# KiCad board FetsAndCrosses.kicad_pcb (continued)
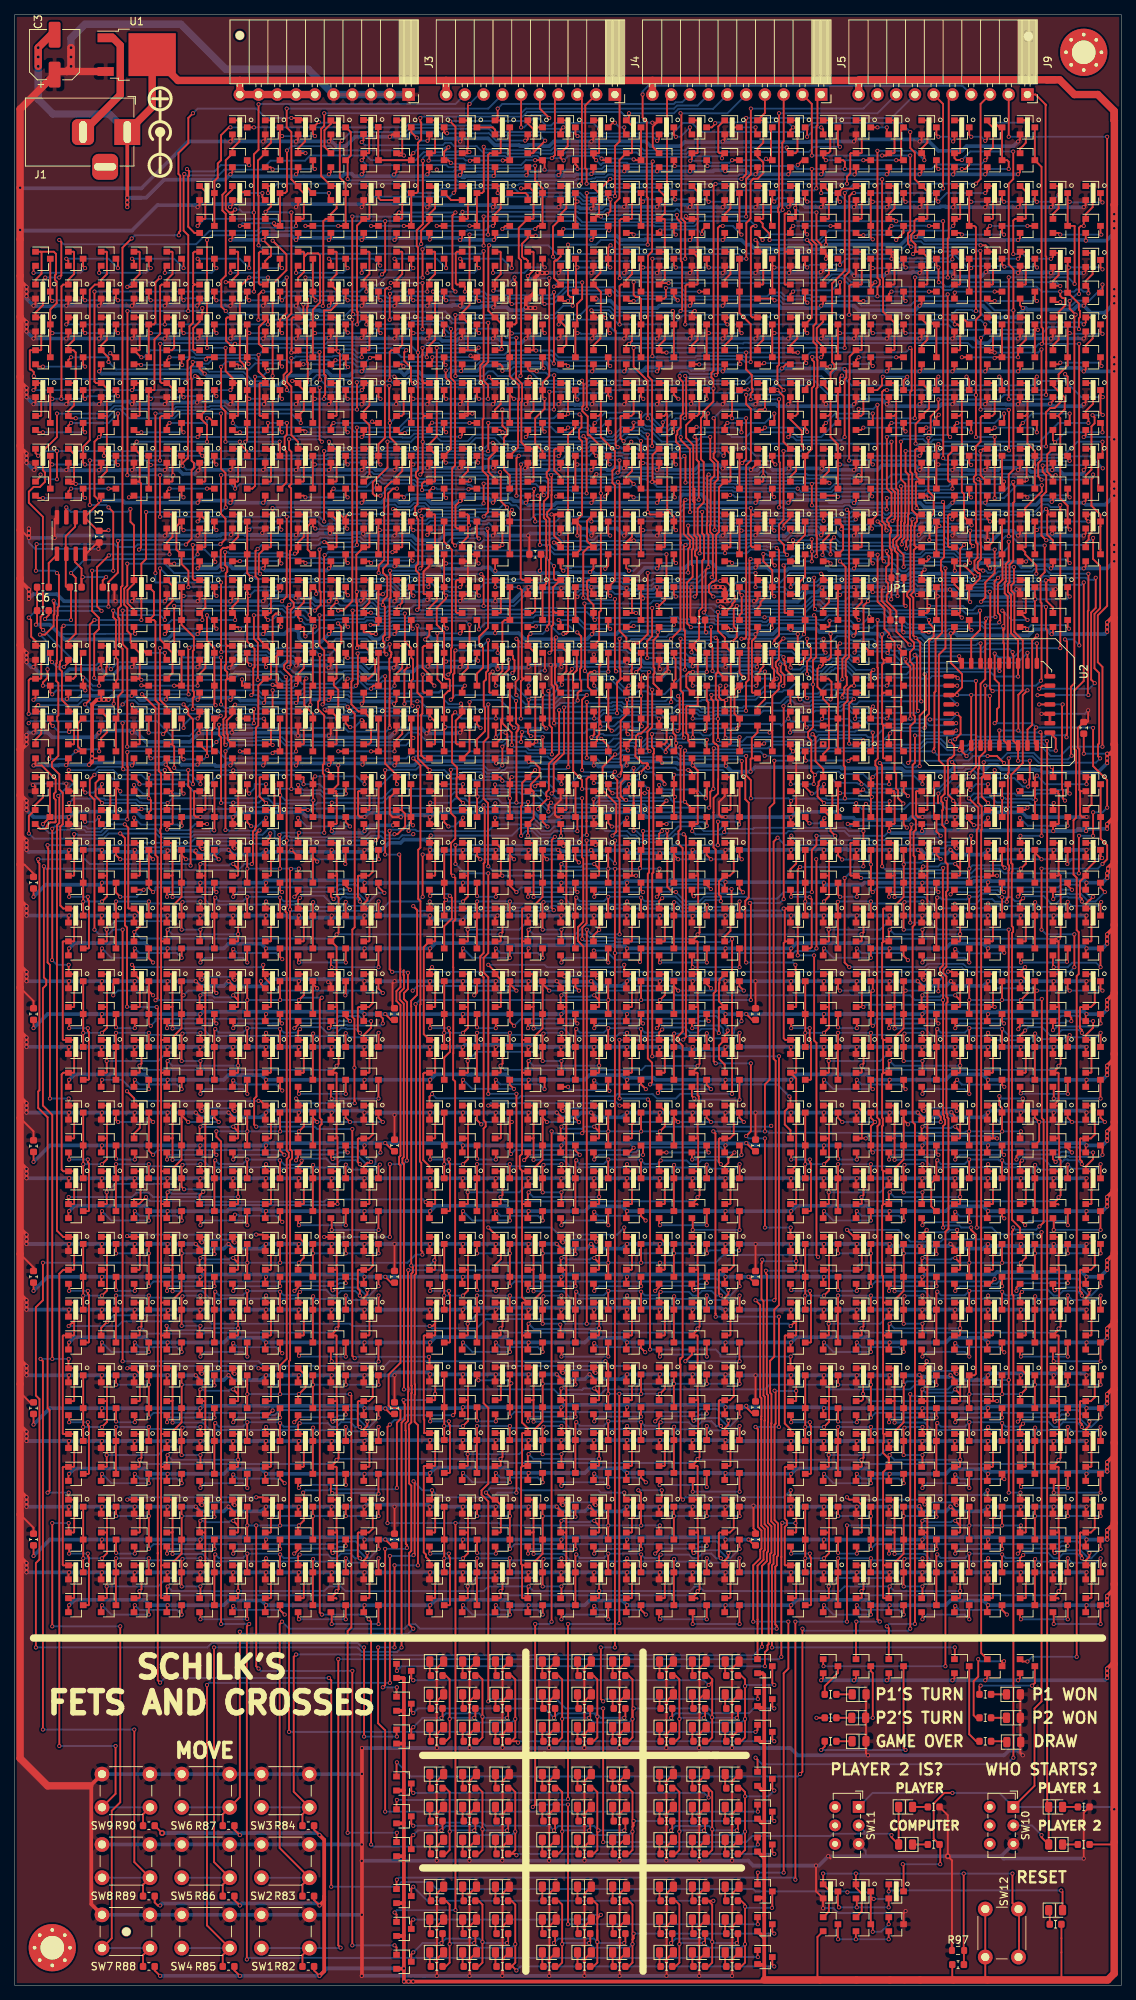
[diagram p0: board, top side]
## Routing (per net, layer and track width the routed paths; a pad name or vN(x,y) marks a point on that pad's centre or on a via; arc(x,y) is an arc through that point) (continued)
  Bottom w0.25: v1(130.81,181.61) 130.42,181.61 130.2,181.38 123.03,181.38 122.68,181.73 121.79,181.73 121.02,182.5 118.49,182.5 v1(118.43,182.56) ; v1(120.35,159.94) 120.07,159.65 115.52,159.65 v1(115.28,159.89) ; v1(77.45,243.84) 78.1,243.84 78.37,244.11 78.75,244.11 78.9,244.26 79.85,244.26 80.3,243.8 v1(94.91,243.8) 94.95,243.84 v1(112.71,243.84) ; v1(116.86,193.62) 111.43,193.62 110.78,194.28 110.53,194.28 110.14,194.66 107.46,194.66 107.3,194.49 104.64,194.49 104.08,193.93 102.91,193.93 102.85,193.99 102.23,193.99 101.99,194.23 101.73,194.23 101.66,194.31 99.65,194.31 99.16,193.82 v1(96.2,193.82) 92.77,193.82 v1(92.74,193.8) ; v1(51.75,40.32) v1(49.85,40.32) ; v1(53.31,96.78) 64.77,96.78 65.79,97.79 v1(80.39,97.79) v1(84.84,97.79) v1(87.38,97.79) 94.93,97.79 96,98.86 108.52,98.86 v1(108.8,98.58) ; v1(50.17,59.05) 52.96,59.05 v1(53.11,59.2) ; v1(106.36,151.35) 114.84,151.35 v1(114.94,151.45) ; v1(114.94,156.21) 112.99,156.21 112.54,156.66 100.14,156.66 100,156.51 96.49,156.51 96.16,156.84 95.89,156.84 95.25,156.21 93.34,156.21 92.71,156.84 89.86,156.84 88.18,155.16 84.62,155.16 84.12,155.66 83.49,155.66 82.93,156.21 80.01,156.21 79.38,156.84 73.07,156.84 72.44,156.21 71.39,156.21 70.5,157.11 65.04,157.11 64.14,156.21 54.45,156.21 54.26,156.4 53.49,156.4 v1(53.34,156.25) ; v1(53.02,221.3) 52.75,221.57 47.99,221.57 47.62,221.93 42.86,221.93 42.56,221.63 33.98,221.63 v1(33.02,220.66) 24.6,220.66 23.96,221.3 18.42,221.3 17.46,220.34 v1(17.14,220.34) ; v1(94.64,216.12) 94.25,216.12 93.79,216.58 77.76,216.58 77.31,216.12 76.36,216.12 76.21,216.27 54.48,216.27 v1(53.98,216.78) ; v1(106.05,139.38) v1(108.27,139.38)
/PlayerMem_1/3: length 559.3
  Top w0.25: Q779.1 83.52,190.18 83.6,190.1 83.6,186.28 ; Q137.3 31.48,81.3 ; 31.48,81.3 31.5,81.28 ; 31.48,81.3 Q138.3 ; v1(35.94,80.01) 35.92,80.03 Q140.3 35.92,83.87 36.83,84.77 36.83,111.82 37.11,112.11 37.11,112.68 36.83,112.97 36.83,145.16 36.68,145.31 36.68,145.89 36.82,146.03 36.82,176.96 v1(36.71,177.08) ; Q155.1 38.37,79.9 v1(38.48,80.01) 39.37,80.9 39.37,82.55 38.42,83.5 Q153.1 ; 38.48,83.61 Q153.1 ; Q153.1 38.42,83.55 ; v1(72.74,247.3) 73.15,247.71 73.15,255.4 73.66,255.9 ; Q1327.1 51.7,20.59 v1(51.75,20.64) ; Q520.1 96.11,252.41 95.28,251.59 95.28,248.14 95.45,247.96 Q519.1 95.79,247.6 v1(95.79,247.28) ; v1(133.37,177.88) 133.35,177.9 U2.9 ; v1(84.14,185.74) 84.14,185.73 Q780.1 83.52,185.73 83.6,185.81 83.6,186.28 ; 83.6,186.28 83.6,186.33 ; v1(13.34,191.45) 13.34,199.39 v1(12.7,200.02) ; v1(10.48,191.45) 10.48,185.99 11.4,185.07 11.4,183.55 10.76,182.92 v1(10.76,176.95) ; v1(86.33,186.41) 86.33,182.59 85.66,181.93 v1(85.66,179.65) ; v1(45.08,20.64) 45.08,47.94 45.59,48.45 45.59,79.82 v1(45.4,80.01) ; v1(55.27,246.94) 55.27,238.36 54.44,237.54 54.44,235.39 54.61,235.22 v1(54.61,220.98) 54.61,205.04 54.33,204.76 54.33,204.18 54.56,203.95 54.56,200.43 54.23,200.1 54.23,199.03 54.48,198.78 54.48,198.55 54.64,198.39 54.64,192.37 54.33,192.06 54.33,191.48 54.78,191.03 54.78,186.45 v1(54.5,186.17) ; Q435.1 28.78,225.74 28.61,225.57 28.61,222.6 29.48,221.73 Q437.1 29.48,221.94 29.69,222.16 v1(29.84,222.16) ; v1(19.66,206.38) 19.66,212.18 19.89,212.4 Q462.1 21.29,212.4 21.37,212.48 21.37,216.12 20.64,216.85 Q460.1 19.89,216.85 19.7,217.04 v1(19.7,222.16) ; v1(10.16,206.38) v1(10.16,200.34)
  Bottom w0.25: v1(31.5,80.01) v1(35.94,80.01) v1(38.48,80.01) v1(45.4,80.01) ; v1(133.37,177.88) 133.04,178.22 121.56,178.22 120.78,177.43 113.88,177.43 112.61,178.7 110.94,178.7 110.66,178.42 110.48,178.42 109.4,177.35 109.11,177.35 ; v1(54.5,186.17) 54.89,186.17 54.97,186.09 63.79,186.09 63.87,186.17 69.43,186.17 69.67,186.41 82.83,186.41 ; 109.11,177.35 108.34,177.35 107.6,178.08 107.03,178.08 106.29,177.35 103.57,177.35 101.75,179.17 91.55,179.17 91.36,179.37 90.55,179.37 90.27,179.65 v1(85.66,179.65) ; 109.11,177.35 109.09,177.38 ; v1(19.66,206.38) v1(10.16,206.38) ; v1(36.83,154.94) 47.62,154.94 48.26,155.57 49.53,155.57 49.91,155.2 52.02,155.2 52.47,155.65 53.83,155.65 v1(53.98,155.8) ; v1(55.27,246.94) 55.27,247.33 55.59,247.65 58.48,247.65 58.55,247.71 60.96,247.71 61.13,247.54 61.93,247.54 61.97,247.58 66.38,247.58 66.5,247.47 70.05,247.47 70.2,247.62 70.77,247.62 71.09,247.3 v1(72.74,247.3) 73.77,247.3 74.54,248.07 84.24,248.07 84.86,247.44 91.16,247.44 91.27,247.55 95.52,247.55 v1(95.79,247.28) ; v1(84.14,185.74) 83.47,186.41 82.83,186.41 ; 82.83,186.41 v1(86.33,186.41) ; v1(12.7,200.02) 12.38,200.34 v1(10.16,200.34) ; v1(10.76,176.95) 11.04,176.68 16.25,176.68 16.86,177.28 29.33,177.28 29.85,177.8 35.98,177.8 v1(36.71,177.08) ; v1(51.75,20.64) v1(45.08,20.64) ; v1(54.61,220.98) 53.43,222.16 48.03,222.16 47.81,222.38 42.36,222.38 42.14,222.16 v1(29.84,222.16) 29.45,222.16 29.33,222.28 20.21,222.28 20.09,222.16 v1(19.7,222.16) ; v1(13.34,191.45) v1(10.48,191.45)
/PlayerMem_1/4: length 655.6
  Top w0.25: Q784.1 82.82,195.27 ; 82.82,195.27 83.6,196.05 83.6,198.99 83.52,199.07 Q783.1 ; 82.82,195.27 83.09,195.55 v1(83.83,195.55) ; 80.38,81.42 Q179.3 80.38,84.09 v1(80.01,84.45) ; 80.38,81.42 80.39,81.4 ; 80.38,81.42 Q180.3 ; 87.38,83.74 87.27,83.62 87.97,83.62 88.04,83.55 88.04,80.71 v1(87.38,80.04) 87.27,79.93 Q197.1 ; v1(74.93,48.89) v1(74.93,25.2) ; v1(59.64,194.86) 59.24,195.26 59.24,205.3 59.63,205.69 59.63,216.97 59.07,217.54 v1(59.07,224.19) ; v1(46.36,224.79) 46.43,224.87 46.43,226.45 46.36,226.53 46.36,238.17 Q523.1 47.96,239.07 48.04,239.15 48.04,243.44 47.96,243.52 Q524.1 ; v1(17.78,199.39) 17.78,193.04 17.14,192.4 v1(17.14,184.78) ; v1(27.94,212.72) 27.94,205.27 28.54,204.67 28.54,200.06 v1(28.57,200.02) ; v1(72.39,252.73) 71.12,254 71.12,255.9 ; v1(34.29,224.79) 34.29,225.38 Q436.1 33.92,225.28 33.05,224.41 33.05,222.17 Q438.1 ; v1(59.46,242.6) 59.69,242.84 59.69,251.54 v1(58.92,252.31) ; v1(51.75,25.08) 51.7,25.03 Q1329.1 ; v1(24.13,162.56) 24.13,171.35 23.5,171.98 23.5,172.72 v1(22.86,173.35) ; v1(9.53,173.35) 10.16,173.99 10.16,184.15 v1(10.8,184.78) ; 134.62,178.92 134.62,179.65 134.48,179.79 134.48,187.98 134.07,188.4 134.07,189.86 134.23,190.01 134.23,192.37 134.62,192.77 v1(134.62,195.37) ; v1(14.61,84.45) v1(14.61,142.88) ; 7.96,216.85 8.25,217.15 8.25,220.99 7.96,221.29 Q468.1 7.25,221.94 8.03,222.72 8.03,225.66 7.96,225.74 Q466.1 7.25,225.06 v1(6.98,224.79) ; 7.96,216.85 8.03,216.77 8.03,213.83 7.25,213.05 Q474.1 7.57,212.09 v1(8.25,212.09) ; 7.96,216.85 Q472.1 ; v1(84.84,80.04) 84.82,80.06 Q182.3 ; v1(81.88,49) v1(81.88,80.04) ; Q444.1 21.29,221.29 21.59,221.59 21.59,225.44 21.29,225.74 Q442.1 20.32,225.47 v1(20.32,224.79) ; v1(10.79,163.83) 10.16,163.2 10.16,161.09 10.8,160.46 v1(10.8,142.88)
  Bottom w0.25: v1(22.86,173.35) 16.76,173.35 16.2,173.92 15.17,173.92 v1(14.61,173.35) 13.97,172.72 10.16,172.72 v1(9.53,173.35) ; v1(8.25,212.09) 12.45,212.09 13.68,213.33 14.26,213.33 15.49,212.09 21.59,212.09 22.22,212.72 v1(27.94,212.72) ; v1(28.57,200.02) 27.94,199.39 v1(17.78,199.39) ; v1(24.13,162.56) 23.5,163.19 17.78,163.19 17.14,163.83 13.97,163.83 13.34,164.46 11.43,164.46 v1(10.79,163.83) ; v1(59.46,242.6) 58.93,242.08 48.32,242.08 v1(48.05,242.36) ; v1(81.88,49) 81.7,49 81.6,48.89 v1(74.93,48.89) ; v1(14.61,142.88) 13.34,142.88 12.7,142.24 11.43,142.24 v1(10.8,142.88) ; v1(6.98,224.79) v1(20.32,224.79) v1(34.29,224.79) 38.11,224.79 38.71,224.19 39.34,224.19 39.94,224.79 v1(46.36,224.79) 46.96,225.39 47.91,225.39 48.51,224.79 53.34,224.79 53.79,225.24 58.02,225.24 v1(59.07,224.19) ; 84.36,195.49 78.9,195.49 78.58,195.16 77.63,195.16 77.31,195.49 74,195.49 73.63,195.86 72.74,195.86 72.45,195.58 63.53,195.58 63.1,195.16 62.35,195.16 62.1,195.4 60.19,195.4 v1(59.64,194.86) ; 84.36,195.49 84.31,195.55 v1(83.83,195.55) ; 84.36,195.49 84.45,195.58 99.01,195.58 99.09,195.66 102.22,195.66 102.29,195.58 104.53,195.58 105.13,196.18 107.35,196.18 107.48,196.31 108.3,196.31 108.95,195.66 110.41,195.66 110.9,195.18 111.15,195.18 111.53,194.79 118.61,194.79 119.99,193.41 120.37,193.41 120.52,193.26 122.78,193.26 123.38,193.86 125.54,193.86 125.62,193.78 127.21,193.78 127.77,193.22 133.15,193.22 134.62,194.69 v1(134.62,195.37) ; v1(74.93,25.2) 74.81,25.08 v1(51.75,25.08) ; v1(10.8,184.78) v1(17.14,184.78) ; v1(87.38,80.04) v1(84.84,80.04) v1(80.39,80.04) ; v1(80.01,84.45) 50.76,84.45 50.13,83.82 33.66,83.82 33.02,84.45 v1(14.61,84.45) ; v1(72.39,252.73) 72.03,253.09 71.48,253.09 71.46,253.1 69.97,253.1 69.18,252.31 v1(58.92,252.31)
/PlayerMem_1/5: length 607.3
  Top w0.25: Q787.1 83.52,207.96 83.6,207.88 83.6,204.94 82.82,204.16 Q788.1 ; Q787.1 82.82,208.23 v1(83.5,208.91) ; Q787.1 83.14,208.28 83.14,208.3 ; 129.27,81.3 Q221.3 129.97,82.55 130.17,82.75 130.17,101.6 129.54,102.23 v1(129.54,102.55) ; 129.27,81.3 129.29,81.28 ; 129.27,81.3 Q222.3 ; Q224.3 133.72,80.03 v1(133.73,80.01) ; Q239.1 136.16,79.9 v1(136.27,80.01) 136.94,80.67 136.94,82.77 136.21,83.5 Q237.1 136.27,83.61 ; 68.58,255.9 v1(68.58,251.46) ; v1(125.75,151.23) 125.75,150.84 125.7,150.78 125.7,147.1 125.73,147.07 125.73,138.05 125.31,137.63 125.31,136.77 125.73,136.36 125.73,117.84 125.86,117.71 125.86,117.28 126.01,117.13 126.01,116.55 125.73,116.27 v1(125.73,102.55) ; v1(106.36,28.57) 106.68,28.89 v1(106.68,48.26) ; v1(86.41,246.84) 86.33,246.76 86.33,234.66 85.76,234.1 85.76,217.77 86.33,217.21 v1(86.33,208.32) ; v1(123.24,177.44) 123.39,177.29 123.39,172.65 122.55,171.82 v1(122.55,165) ; v1(135.89,177.13) U2.7 135.89,182.03 134.93,182.99 134.93,188.17 134.52,188.58 134.52,189.67 134.73,189.88 134.73,192.24 135.23,192.74 135.23,200.64 135.38,200.79 135.38,202.94 135.23,203.09 v1(135.23,203.48) ; Q527.1 78.38,247.38 v1(78.74,247.01) ; Q527.1 79.08,247.96 79.15,248.04 79.15,252.33 79.08,252.41 Q528.1 ; Q527.1 78.38,247.53 ; Q448.1 7.3,207.96 8.03,207.23 8.03,203.59 7.96,203.51 Q450.1 7.57,203.2 v1(8.25,203.2) ; Q440.1 30.18,207.96 30.26,207.88 30.26,203.59 30.18,203.51 Q439.1 29.85,203.15 v1(29.85,202.56) ; v1(117.16,165.42) 117.48,165.1 v1(117.48,151.45) ; v1(51.75,30.16) 51.7,30.11 Q1331.1 ; 53.98,134.7 v1(53.89,134.62) ; v1(121.29,48.26) v1(121.29,80.01) ; v1(83.82,203.2) 83.19,203.83
  Bottom w0.25: v1(136.27,80.01) v1(133.73,80.01) v1(129.29,80.01) 129.01,79.74 121.56,79.74 v1(121.29,80.01) ; v1(86.41,246.84) 86.09,246.53 83.07,246.53 82.92,246.68 79.69,246.68 79.4,246.38 79.38,246.38 v1(78.74,247.01) ; v1(125.73,133.35) 121.92,133.35 121.29,133.98 89.54,133.98 88.9,134.62 78.74,134.62 78.11,135.25 54.53,135.25 v1(53.89,134.62) ; v1(123.24,177.44) 123.56,177.77 132.12,177.77 132.75,177.13 v1(135.89,177.13) ; v1(86.33,208.32) 85.94,208.32 85.85,208.4 84.52,208.4 ; v1(122.55,165) 122.17,165 122.02,164.85 120.72,164.85 120.16,165.42 v1(117.16,165.42) ; 84.52,208.4 84.24,208.68 83.53,208.68 ; 84.52,208.4 84.46,208.46 ; v1(51.75,30.16) 53.66,28.26 106.05,28.26 v1(106.36,28.57) ; v1(68.58,251.46) 68.97,251.46 70.16,252.65 71.03,252.65 71.96,251.71 72.64,251.71 72.99,252.06 78.35,252.06 v1(79.16,251.25) ; v1(121.29,48.26) 121,47.98 106.96,47.98 v1(106.68,48.26) ; v1(135.23,203.48) 133.74,201.99 129.24,201.99 129.22,201.96 123.61,201.96 123.47,201.83 119.54,201.83 119.26,202.12 111.26,202.12 110.8,201.66 106.08,201.66 105.59,202.15 97.33,202.15 97.18,202.3 93.29,202.3 93.23,202.37 92.05,202.37 92.03,202.34 84.68,202.34 v1(83.82,203.2) 83.37,202.75 75.56,202.75 75.54,202.77 70.99,202.77 70.58,203.18 67.47,203.18 66.93,202.64 62.16,202.64 61.71,203.08 61.37,203.08 61.2,203.24 56.15,203.24 55.87,202.97 54.27,202.97 53.99,203.24 49.76,203.24 49.37,203.63 48.44,203.63 47.62,202.81 46.49,202.81 46.1,203.2 30.48,203.2 v1(29.85,202.56) 29.21,203.2 v1(8.25,203.2) ; v1(129.54,102.55) 128.21,102.55 127.92,102.84 126.01,102.84 v1(125.73,102.55) ; v1(125.75,151.23) 125.48,150.95 123.44,150.95 123.31,150.82 122.73,150.82 122.45,151.1 117.82,151.1 v1(117.48,151.45)
/PlayerMem_1/CLK: length 939.9
  Top w0.25: Q16.1 30.18,92.39 30.26,92.31 v1(30.26,88.93) 30.26,88.02 30.18,87.94 29.48,87.94 ; 19.81,92.31 19.81,88.02 19.89,87.94 ; 19.81,92.31 19.81,105.65 19.89,105.72 ; 19.81,92.31 19.89,92.39 Q10.1 ; 19.89,87.94 20.59,87.94 20.59,89.23 v1(20.56,89.25) ; 19.89,87.94 19.81,87.87 19.81,74.53 ; Q58.1 79.08,92.39 79.15,92.31 v1(79.15,88.93) 79.15,88.02 79.08,87.94 78.38,87.94 ; v1(69.6,89.53) 69.48,89.42 69.48,87.94 68.79,87.94 ; 68.79,87.94 68.71,88.02 68.71,92.31 68.79,92.39 Q52.1 69.44,92.39 68.71,93.12 68.71,105.65 68.79,105.72 ; 68.79,87.94 68.71,87.87 68.71,76.16 69.48,75.38 Q178.1 68.79,74.73 68.71,74.66 68.71,70.37 68.79,70.29 ; Q100.1 127.97,92.39 128.05,92.31 v1(128.05,88.93) 128.05,88.02 127.97,87.94 127.27,87.94 ; v1(118.49,89.53) 118.38,89.42 118.38,87.94 117.68,87.94 ; 117.68,92.39 117.6,92.31 117.6,88.02 117.68,87.94 ; 117.68,92.39 117.6,92.47 117.6,95.97 117.48,96.1 117.48,105.52 117.68,105.72 ; 117.68,92.39 Q94.1 ; 117.68,87.94 117.6,87.87 117.6,85.38 117.61,85.38 117.61,83.95 117.6,83.95 117.6,74.69 117.68,74.61 ; Q142.1 30.18,74.61 30.26,74.53 v1(30.26,71.15) 30.26,70.24 30.18,70.16 29.48,70.16 ; v1(20.7,71.75) 20.59,71.64 20.59,70.16 19.89,70.16 19.81,70.24 ; 19.81,70.24 19.81,74.53 ; 19.81,70.24 19.81,58.71 19.82,58.71 19.82,56.76 19.81,56.75 ; 19.81,74.53 19.89,74.61 Q136.1 ; Q184.1 79.08,74.73 79.15,74.66 v1(79.15,71.27) 79.15,70.37 79.08,70.29 Q186.1 ; v1(69.6,71.88) 69.48,71.77 Q177.1 68.79,70.29 ; 68.79,70.29 68.58,70.08 68.58,57.03 68.79,56.83 ; Q226.1 127.97,74.61 128.05,74.53 v1(128.05,71.15) 128.05,70.24 127.97,70.16 127.27,70.16 ; 118.38,70.16 118.38,71.64 v1(118.49,71.75) ; 118.38,70.16 118.38,71.27 117.6,72.05 117.6,73.37 117.68,73.45 117.68,74.61 ; 118.38,70.16 118.33,70.16 117.6,69.44 117.6,56.91 117.68,56.83 ; Q268.1 30.18,56.83 30.26,56.75 v1(30.26,53.37) 30.26,52.46 30.18,52.38 29.48,52.38 ; v1(20.7,53.97) 20.59,53.86 20.59,52.38 19.89,52.38 19.81,52.46 19.81,56.75 ; 19.81,56.75 19.89,56.83 Q262.1 ; Q310.1 79.08,56.83 79.15,56.75 v1(79.15,53.37) 79.15,52.46 79.08,52.38 78.38,52.38 ; v1(69.6,53.97) 69.48,53.86 69.48,52.38 68.79,52.38 68.71,52.46 68.71,56.75 68.79,56.83 ; 68.79,56.83 Q304.1 ; Q352.1 127.97,56.83 128.05,56.75 v1(128.05,53.37) 128.05,52.46 127.97,52.38 127.27,52.38 ; v1(118.49,53.97) 118.38,53.86 118.38,52.38 117.68,52.38 117.6,52.46 117.6,56.75 117.68,56.83 ; 117.68,56.83 Q346.1 ; v1(69.6,142.88) 69.48,142.76 Q989.1 68.79,141.28 ; Q990.1 68.79,145.73 68.71,145.65 68.71,141.36 68.79,141.28 ; 68.79,141.28 68.71,141.21 68.71,128.03 68.79,127.95 ; Q1040.1 127.97,141.28 128.05,141.36 v1(128.05,142.27) 128.05,145.65 127.97,145.73 Q1038.1 127.27,146.32 v1(127.32,146.37) ; v1(118.49,142.88) 118.38,142.76 Q1031.1 117.68,141.28 ; Q1032.1 117.68,145.73 117.6,145.65 117.6,141.36 117.68,141.28 ; 117.68,141.28 117.48,141.08 117.48,128.15 117.68,127.95 ; Q1080.1 30.18,127.95 30.26,127.87 v1(30.26,124.49) 30.26,123.58 30.18,123.5 29.48,123.5 ; v1(20.7,125.09) 20.59,124.98 20.59,123.5 19.89,123.5 ; 19.89,127.95 19.81,127.87 19.81,123.58 19.89,123.5 ; 19.89,127.95 Q1074.1 ; 19.89,127.95 19.82,128.02 19.81,141.36 ; 19.89,123.5 19.81,123.43 19.81,110.25 19.89,110.17 ; Q1122.1 79.08,127.95 79.15,127.87 v1(79.15,124.49) 79.15,123.58 79.08,123.5 78.38,123.5 ; v1(69.6,125.09) 69.48,124.98 69.48,123.5 68.79,123.5 ; 68.79,127.95 68.71,127.87 68.71,123.58 68.79,123.5 ; 68.79,127.95 Q1116.1 ; 68.79,123.5 68.71,123.43 68.71,112.52 68.4,112.21 68.4,110.56 68.79,110.17 ; Q1164.1 127.97,127.95 128.05,127.87 v1(128.05,124.49) 128.05,123.58 127.97,123.5 127.27,123.5 ; v1(118.49,125.09) 118.38,124.98 118.38,123.5 117.68,123.5 ; 117.68,127.95 117.6,127.87 117.6,123.58 117.68,123.5 ; 117.68,127.95 Q1158.1 ; 117.68,123.5 117.48,123.3 117.48,117.41 117.57,117.31 117.57,116.37 117.48,116.27 117.48,110.38 117.68,110.17 ; Q1206.1 30.18,110.17 30.26,110.09 v1(30.26,106.71) 30.26,105.8 30.18,105.72 29.48,105.72 ; v1(20.7,107.31) 20.59,107.2 20.59,105.72 19.89,105.72 ; 19.89,110.17 19.81,110.09 19.81,105.8 19.89,105.72 ; 19.89,110.17 Q1200.1 ; Q1248.1 79.08,110.17 79.15,110.09 v1(79.15,106.71) 79.15,105.8 79.08,105.72 78.38,105.72 ; v1(69.6,107.31) 69.48,107.2 69.48,105.72 68.79,105.72 ; 68.79,110.17 68.71,110.09 68.71,105.8 68.79,105.72 ; 68.79,110.17 Q1242.1 ; Q1290.1 127.97,110.17 128.05,110.09 v1(128.05,106.71) 128.05,105.8 127.97,105.72 127.27,105.72 ; v1(118.49,107.31) 118.38,107.2 118.38,105.72 117.68,105.72 ; 117.68,110.17 117.6,110.09 117.6,105.8 117.68,105.72 ; 117.68,110.17 Q1284.1 ; v1(125.73,238.76) 125.74,238.75 125.74,230.22 125.75,230.21 v1(125.75,206.69) ; Q948.1 19.89,145.73 19.81,145.65 ; 19.81,141.36 19.89,141.28 Q947.1 20.59,142.76 v1(20.7,142.88) ; 19.81,141.36 19.81,145.65 ; 104.34,234.63 104.27,234.55 104.27,230.26 104.34,230.19 Q620.1 ; 104.34,234.63 Q618.1 ; 104.34,234.63 104.27,234.71 104.27,239.74 104.33,239.8 104.7,239.8 v1(104.85,239.95) ; Q954.1 30.18,145.73 30.26,145.65 v1(30.26,142.27) 30.26,141.36 30.18,141.28 Q956.1 ; 117.68,74.61 Q220.1 ; Q612.1 119.08,243.52 119.16,243.44 119.16,240.5 118.38,239.72 Q614.1 119.07,239.07 v1(119.38,238.76) ; 19.81,145.65 19.81,155.83 19.72,155.92 19.72,156.5 19.81,156.59 19.81,164.02 19.5,164.33 19.5,173.47 19.05,173.92 19.05,184.58 18.85,184.78 Q1364.3 18.2,184.78 18.85,185.44 18.85,188.58 18.2,189.23 Q1363.3 ; v1(134.62,166.05) 134.62,164.15 134.51,164.03 134.51,151.71 134.67,151.54 134.67,150.97 134.59,150.88 134.59,147.27 134.36,147.04 v1(134.36,146.65) ; Q998.1 78.38,142.07 v1(79.15,142.84) 79.15,145.65 79.08,145.73 Q996.1 ; v1(139.22,205.69) 139.22,204.84 139.7,204.36 139.7,202.15 139.06,201.51 139.06,196.21 v1(139.7,195.58) ; v1(147,166.05) 146.72,166.34 146.72,167.93 146.87,168.08 146.87,177.61 146.23,178.25 146.23,185.61 147,186.37 147,192.09 146.05,193.04 v1(146.05,195.9)
  Bottom w0.25: v1(118.49,89.53) 119.13,88.9 128.02,88.9 v1(128.05,88.93) ; v1(20.7,71.75) 21.34,71.12 30.23,71.12 v1(30.26,71.15) ; v1(69.6,71.88) 70.23,71.24 79.12,71.24 v1(79.15,71.27) ; v1(118.49,71.75) 119.13,71.12 128.02,71.12 v1(128.05,71.15) ; v1(20.7,53.97) 21.34,53.34 30.23,53.34 v1(30.26,53.37) 41.94,53.37 42.55,53.97 44.13,53.97 44.77,53.34 63.5,53.34 64.14,53.97 v1(69.6,53.97) 70.23,53.34 79.12,53.34 v1(79.15,53.37) 91.47,53.37 92.08,53.97 92.71,53.97 93.34,53.34 111.76,53.34 112.39,53.97 v1(118.49,53.97) 119.13,53.34 128.02,53.34 v1(128.05,53.37) ; v1(118.49,142.88) 119.13,142.24 128.02,142.24 v1(128.05,142.27) ; v1(20.7,125.09) 21.34,124.46 30.23,124.46 v1(30.26,124.49) ; v1(69.6,125.09) 70.23,124.46 79.12,124.46 v1(79.15,124.49) ; v1(118.49,125.09) 119.13,124.46 128.02,124.46 v1(128.05,124.49) ; v1(69.6,107.31) 70.23,106.68 79.12,106.68 v1(79.15,106.71) ; v1(118.49,107.31) 119.13,106.68 128.02,106.68 v1(128.05,106.71) ; v1(30.26,106.71) 25.37,106.71 24.95,107.13 21.27,107.13 21.09,107.31 v1(20.7,107.31) ; v1(79.15,142.84) 78.52,143.48 77.18,143.48 75.95,142.24 70.23,142.24 v1(69.6,142.88) ; v1(139.22,205.69) 141.66,205.69 141.71,205.74 146.93,205.74 v1(147.35,205.32) 145.73,206.94 142.59,206.94 142.39,206.74 138.74,206.74 138.42,206.42 126.03,206.42 v1(125.75,206.69) ; v1(30.26,88.93) 25.71,88.93 25.43,88.65 21.16,88.65 v1(20.56,89.25) ; v1(127.32,146.37) 130.17,146.37 130.81,147 132.4,147 132.75,146.65 v1(134.36,146.65) ; v1(79.15,88.93) 78.76,88.93 78.64,88.81 70.32,88.81 v1(69.6,89.53) ; v1(20.7,142.88) 21.34,142.24 30.23,142.24 v1(30.26,142.27) ; v1(104.85,239.95) 106.04,238.76 v1(119.38,238.76) v1(125.73,238.76) ; v1(146.05,195.9) 145.1,194.94 140.97,194.94 140.33,195.58 v1(139.7,195.58) ; v1(134.62,166.05) 134.9,166.34 137.83,166.34 138.69,165.47 146.42,165.47 v1(147,166.05)
/PlayerMem_1/M0: length 393.5
  Top w0.25: 20.7,163.6 Q334.1 20.32,163.8 v1(20.32,164.46) ; Q773.1 100.6,186.38 101,186.78 101,187.21 101.54,187.75 101.54,189.94 101.3,190.18 Q774.1 ; v1(50.78,170.18) 50.78,170.57 50.75,170.6 50.75,174.16 50.78,174.19 50.78,177.99 50.73,178.04 50.73,179.56 50.93,179.76 50.93,180.04 51,180.12 51,180.41 50.78,180.64 v1(50.78,181.5) ; v1(14.69,164.59) 14.61,164.68 v1(14.61,170.81) ; SW9.2 13.65,25.92 v1(13.65,32.38) ; Q717.1 140.6,186.49 139.73,187.36 139.73,188.85 ; 1.91,170.79 v1(1.88,170.81) ; v1(6.03,32.38) 6.03,96.3 6.57,96.83 Q40.1 7.97,96.83 8.05,96.91 8.05,101.2 7.97,101.28 Q39.1 6.57,101.28 5.71,102.14 5.71,157 6.03,157.31 6.03,160.84 v1(5.9,160.97) ; 46.36,187.96 46.36,188.56 v1(46.32,188.6) ; v1(46.35,180.99) 46.35,181.61 46.36,181.61 ; 139.73,188.85 139.64,188.94 v1(139.64,190.15) ; 139.73,188.85 139.73,190.01 139.91,190.18 Q718.1 ; Q774.1 100.33,189.91 v1(100.33,189.23) ; Q774.1 100.33,190.45 v1(100.33,191.13) ; 46.36,181.61 46.36,181.5 46.56,181.29 Q887.1 47.31,181.29 47.96,180.64 47.96,180.2 48.81,179.36 48.81,177.69 47.96,176.84 Q888.1 ; 46.36,181.61 46.36,187.04 46.26,187.13 46.26,193.63 Q890.1 47.96,194.62 48.04,194.7 48.04,198.99 47.96,199.07 Q889.1 ; v1(7.3,164.46) 7.27,164.43 Q333.1 7.3,163.51 v1(8.25,162.56) ; R90.1 17.37,23.14 SW9.2
  Bottom w0.25: v1(100.33,189.23) 104.2,189.23 104.8,188.63 105.96,188.63 107.23,189.9 108.56,189.9 108.97,190.31 118.9,190.31 119.43,189.78 121.33,189.78 121.71,190.16 122.16,190.16 122.45,189.86 124,189.86 124.15,190.02 127.85,190.02 127.9,190.06 129.17,190.06 129.6,189.63 131.29,189.63 131.39,189.74 132.44,189.74 132.77,189.41 133.62,189.41 134.2,190 139.49,190 v1(139.64,190.15) ; v1(46.32,188.6) 46.46,188.74 48.77,188.74 49.46,189.43 50.97,189.43 52.04,188.36 53.37,188.36 53.9,188.9 54.02,188.9 54.33,188.59 58.04,188.59 58.13,188.69 58.71,188.69 58.8,188.59 62.48,188.59 63.72,189.83 73.39,189.83 73.52,189.7 75.07,189.7 75.36,189.99 77.95,189.99 77.97,189.97 82.14,189.97 82.41,189.7 83.96,189.7 84.21,189.45 86.2,189.45 86.58,189.83 92.52,189.83 93.87,191.18 100.29,191.18 v1(100.33,191.13) ; v1(46.35,180.99) 50.27,180.99 v1(50.78,181.5) ; v1(1.88,170.81) 2.16,171.09 15.51,171.09 ; 15.51,171.09 19.24,171.09 21.23,169.09 23.68,169.09 24.77,170.18 27.19,170.18 27.37,170.01 27.99,170.01 28.14,170.16 44.69,170.16 45.17,169.68 50.28,169.68 v1(50.78,170.18) ; 15.51,171.09 14.88,171.09 v1(14.61,170.81) ; v1(20.32,164.46) 14.82,164.46 v1(14.69,164.59) 14.37,164.92 11.24,164.92 10.79,164.46 v1(7.3,164.46) ; v1(6.03,32.38) v1(13.65,32.38) ; v1(5.9,160.97) 6.96,162.03 7.27,162.03 7.8,162.56 v1(8.25,162.56) ; SW9.2 SW9.2
/PlayerMem_1/M1: length 394.4
  Top w0.25: 69.6,163.6 Q1018.1 ; Q1018.1 68.73,162.73 68.73,159.73 68.58,159.58 v1(68.58,155.57) ; Q1018.1 70.46,164.46 v1(70.48,164.46) ; Q79.1 56.87,101.28 56.94,101.2 56.94,96.91 56.87,96.83 Q80.1 ; Q826.1 99.9,199.07 99.7,198.86 99.7,198.12 ; 42.81,176.8 Q885.1 43.52,176.84 ; 54.61,172.01 v1(54.61,173.04) ; 54.61,172.01 54.61,166.05 55.92,164.74 55.92,164.74 v1(56.2,164.46) 56.17,164.43 Q1017.1 ; 54.61,172.01 54.61,172.4 ; 139.91,199.07 139.83,198.99 139.83,196.34 140.6,195.56 Q769.1 ; 139.91,199.07 139.91,199.58 v1(139.67,199.82) ; 139.91,199.07 Q770.1 ; v1(51.15,193.96) 51.69,193.96 51.7,193.97 Q891.1 52.41,194.62 52.48,194.7 52.48,198.99 52.41,199.07 Q892.1 51.7,199.72 51.62,199.8 v1(51.24,199.8) ; R87.1 28.17,23.14 SW6.2 30.48,25.45 v1(30.48,47.84) ; v1(73.15,155.44) 72.73,155.02 72.73,145.78 v1(73,145.51) ; 43.52,176.84 43.21,176.54 43.21,175.92 43.81,175.32 v1(43.81,172.3) ; 43.52,176.84 43.59,176.92 43.59,180.56 42.86,181.29 Q886.1 41.89,182.21 41.89,193.49 v1(41.97,193.56) ; v1(53.98,146.05) 54.49,145.53 54.49,134.05 53.68,133.24 53.68,132.5 53.7,132.48 v1(53.7,97.42) 53.91,97.21 53.91,96.49 53.71,96.3 53.71,81.16 53.76,81.12 53.76,80.17 53.71,80.13 53.71,76.19 53.37,75.85 53.37,75.28 53.41,75.24 53.41,67.91 53.71,67.61 53.71,58.8 53.41,58.5 53.41,48.83 v1(53.98,48.26) ; Q825.1 99.9,194.62 99.7,194.83 99.7,198.12 ; 99.7,198.12 99.69,198.13 v1(99.69,199.93)
  Bottom w0.25: v1(56.2,164.46) 58.2,164.46 58.77,163.9 60.4,163.9 60.7,164.2 63.13,164.2 63.76,163.56 65.78,163.56 66.26,164.05 66.51,164.05 66.65,164.19 70.21,164.19 v1(70.48,164.46) ; v1(54.61,173.04) 53.96,172.39 45.96,172.39 45.56,171.99 44.13,171.99 v1(43.81,172.3) ; SW6.2 SW6.2 ; v1(53.7,97.42) 56.14,97.42 v1(56.83,98.11) ; v1(73.15,155.44) 73.03,155.31 71.02,155.31 70.12,156.21 69.22,156.21 v1(68.58,155.57) ; v1(51.15,193.96) 42.43,193.96 42.03,193.56 v1(41.97,193.56) ; v1(30.48,47.84) 30.75,47.57 53.28,47.57 v1(53.98,48.26) ; v1(139.67,199.82) 138.86,199.02 121.88,199.02 121.64,199.26 118.4,199.26 118.19,199.04 117.89,199.04 117.48,199.45 113.35,199.45 113,199.11 110.4,199.11 110.25,199.26 104.28,199.26 104.25,199.29 100.34,199.29 v1(99.69,199.93) 94.11,199.93 93.58,200.47 92.63,200.47 92.6,200.44 90.58,200.44 90.17,200.02 73.52,200.02 73.26,199.77 68.46,199.77 67.91,200.31 67.28,200.31 66.96,200.63 66.39,200.63 65.6,199.84 60.46,199.84 60.17,199.55 56.01,199.55 55.39,200.17 54.28,200.17 53.75,199.63 51.41,199.63 v1(51.24,199.8) ; v1(73,145.51) 72.91,145.41 54.61,145.41 v1(53.98,146.05)
